# KiCad board pi60_v1.1.kicad_pcb (continued)
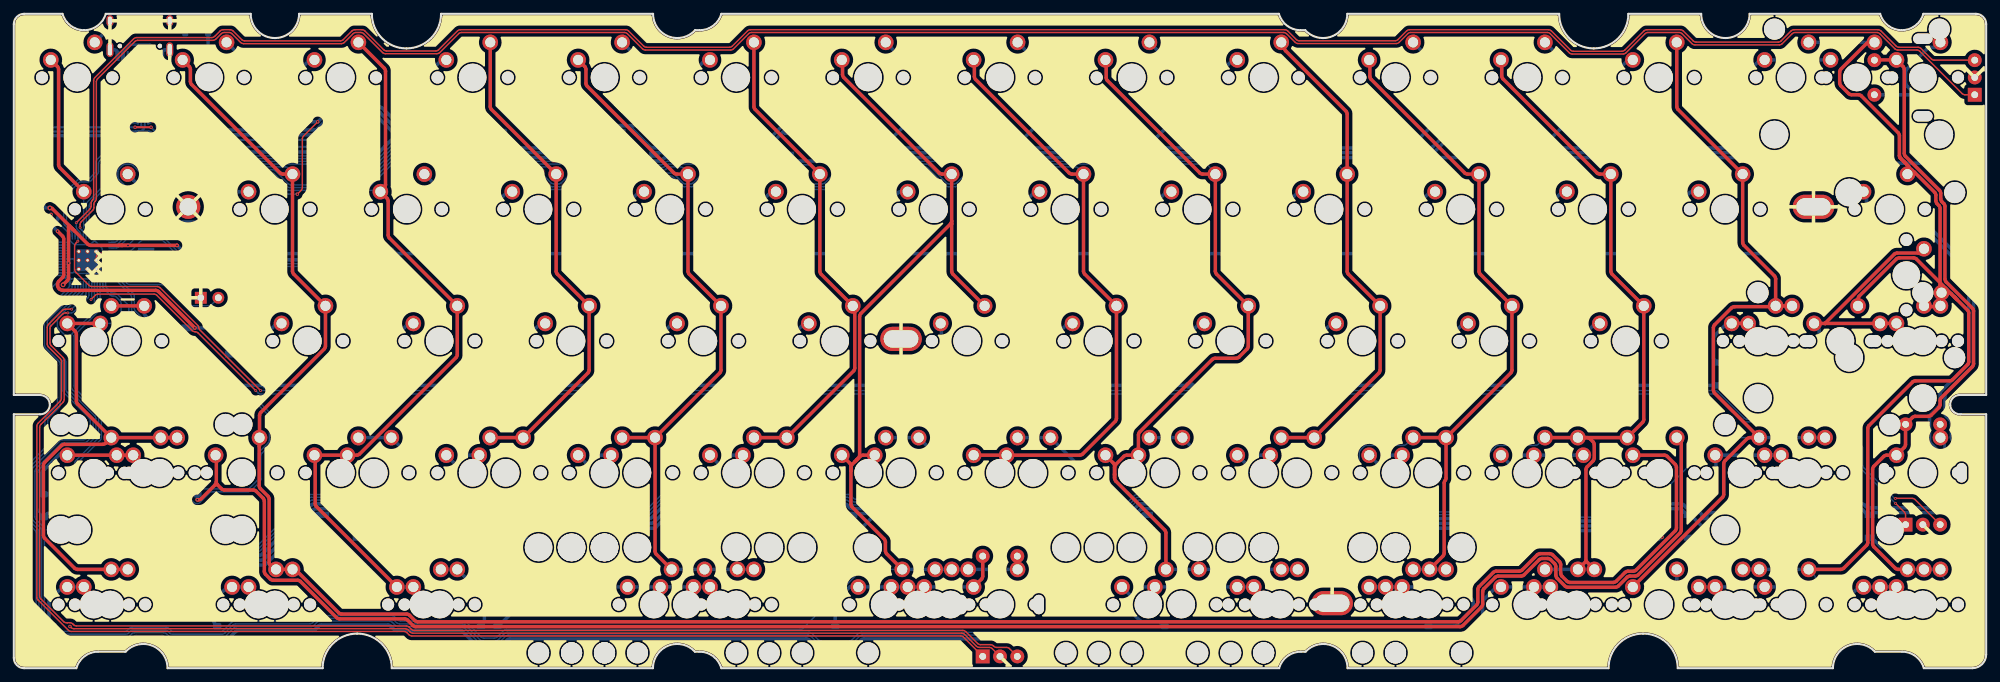
[diagram p0: board, top side]
## Nets
+1V1: C1.1 C2.1 C10.1 U1.23 U1.45 U1.50
+3V3: C3.1 C4.1 C5.1 C6.1 C7.1 C8.1 C9.1 C11.1 C12.1 C14.1 J1.2 R3.1 R4.1 U1.1 U1.10 U1.22 U1.33 U1.42 U1.43 U1.44 U1.48 U1.49 U2.8 U4.2
+5V: C13.1 D69.1 D70.1 D71.1 D72.1 D73.1 D74.1 D75.1 D76.1 D77.1 D78.1 D79.1 D80.1 D81.1 D82.1 D83.1 D84.1 D85.1 D86.1 D87.1 D88.1 D89.1 F1.1 J4.1 U4.3
GND: C1.2 C2.2 C3.2 C4.2 C5.2 C6.2 C7.2 C8.2 C9.2 C10.2 C11.2 C12.2 C13.2 C14.2 C15.2 D69.3 D70.3 D71.3 D72.3 D73.3 D74.3 D75.3 D76.3 D77.3 D78.3 D79.3 D80.3 D81.3 D82.3 D83.3 D84.3 D85.3 D86.3 D87.3 D88.3 D89.3 J1.1 J2.1 J3.1 J4.4 R6.1 R7.1 SW1.C SW2.C SW3.C SW4.2 U1.19 U1.57 U2.4 U3.5 U3.8 U4.1 USB1.1 USB1.12 USB1.13 Y1.2
VCC: C15.1 F1.2 U3.1 USB1.2 USB1.11
,_1: D53.2 K60.1 K108.1
,_2: K10.2 K26.2 K41.2 K60.2 K108.2 U1.3
._1: D54.2 K61.1 K109.1
._2: K11.1 K27.2 K42.2 K61.2 K72.2 K86.2 K94.2 K109.2 U1.29
/QSPI_SCLK: U1.52 U2.6
/QSPI_SD0: U1.53 U2.5
/QSPI_SD1: U1.55 U2.2
/QSPI_SD2: U1.54 U2.3
/QSPI_SD3: U1.51 U2.7
/QSPI_SS: R5.1 U1.56 U2.1
/RUN: J3.2 U1.26
/SCL: J1.4 R3.2 U1.18
/SDA: J1.3 R4.2 U1.17
/SWCLK: U1.24
/SWD: U1.25
/XIN: U1.20 Y1.3
/XOUT: U1.21 Y1.1
B_1: K7.1 K23.2 K38.2 K57.1 K71.2 K79.2 K84.2 K92.2 K98.2 K105.1 SW3.S1 U1.38
B_2: D50.2 K57.2 K105.2
Backspace1: D14.2 K14.1 K15.1
C0: K1.1 K17.1 U1.7
C1: K2.1 K18.2 K33.2 K52.2 K69.2 K77.2 K112.1 U1.11
C2: K3.2 K19.1 K34.2 K53.1 K70.1 K78.1 K101.1 U1.14
C3: K4.2 K20.2 K35.2 K54.2 K102.2 U1.8
C4: K5.1 K21.2 K36.2 K55.2 K83.2 K91.2 K95.2 K97.2 K103.2 U1.9
C5: K6.2 K22.2 K37.2 K56.2 K104.2 U1.2
C7: K8.1 K24.2 K39.2 K58.1 K106.1 U1.13
C8: K9.1 K25.2 K40.2 K59.1 K85.2 K93.2 K96.2 K99.2 K107.1 U1.12
C11: K12.1 K28.2 K43.2 K62.2 K63.2 K73.2 K80.2 K87.2 K110.2 U1.31
C12: K13.2 K29.2 K44.2 K47.2 K64.2 K65.2 K67.2 K88.1 U1.32
C13: K14.2 K15.2 K30.2 K45.2 K46.2 K48.2 K49.2 K74.2 K81.2 K89.2 U1.39
C14: K16.1 K66.1 K75.2 K82.2 K90.2 SW1.S1 SW2.S2 U1.40
C15: K31.1 K32.1 K50.2 K51.2 K68.2 K76.2 K111.2 U1.30
C_1: D48.2 K55.1 K103.1
CC1: R6.2 USB1.4
CC2: R7.2 USB1.10
D2: D51.2 K58.2 K106.2
DN_MCU: J4.2 R2.1 U3.7
DN_USB: U3.2 USB1.5 USB1.7
DP_MCU: J4.3 R1.1 U3.6
DP_USB: U3.3 USB1.6 USB1.8
Enter 1: D43.2 K45.1 K46.1 K48.1 K49.1
ISO': D42.2 K44.1 K47.1
ISO_<>_1: D45.2 K52.1 K112.2
K29 1: D30.2 K31.2 K32.2
K59 1: D55.2 K62.1 K63.1 K110.1
K61 1: D56.2 K64.1 K65.1 K67.1
K65 1: D58.2 K68.1 K76.1
K66 1: D59.2 K69.1 K77.1
K67 1: D60.2 K70.2 K78.2
K68 1: D61.2 K71.1 K79.1 K84.1 K92.1 K98.1 SW3.S2
K69 1: D62.2 K72.1 K86.1 K94.1
K70 1: D63.2 K73.1 K80.1 K87.1
K71 1: D64.2 K74.1 K81.1 K89.1
K72 1: D65.2 K75.1 K82.1 K90.1
K80 1: D67.2 K83.1 K91.1 K95.1 K97.1
K82 1: D68.2 K85.1 K93.1 K96.1 K99.1
LED: D69.4 U1.28
LShift 1: D44.2 K50.1 K51.1 K111.1
M_2: D52.2 K59.2 K107.2
R0: D1.1 D2.1 D3.1 D4.1 D5.1 D6.1 D7.1 D8.1 D9.1 D10.1 D11.1 D12.1 D13.1 D14.1 D15.1 U1.15
R1: D16.1 D17.1 D18.1 D19.1 D20.1 D21.1 D22.1 D23.1 D24.1 D25.1 D26.1 D27.1 D28.1 D29.1 U1.16
R2: D30.1 D31.1 D32.1 D33.1 D34.1 D35.1 D36.1 D37.1 D38.1 D39.1 D40.1 D41.1 D42.1 D43.1 U1.27
R3: D44.1 D45.1 D46.1 D47.1 D48.1 D49.1 D50.1 D51.1 D52.1 D53.1 D54.1 D55.1 D56.1 D57.1 U1.37
R4: D58.1 D59.1 D60.1 D61.1 D62.1 D63.1 D64.1 D65.1 D66.1 D67.1 D68.1 U1.41
SW1_A: SW1.A U1.6
SW1_B: SW1.B U1.5
SW1_S2: D15.2 K16.2 SW1.S2
SW2_A: SW2.A U1.34
SW2_B: SW2.B U1.4
SW3_A: SW3.A U1.36
SW3_B: SW3.B U1.35
V_1: D49.2 K56.1 K104.1
X_1: D47.2 K54.1 K102.1
Z_2: D46.2 K53.2 K101.2
Net-(D1-A): D1.2 K1.2
Net-(D2-A): D2.2 K2.2
Net-(D3-A): D3.2 K3.1
Net-(D4-A): D4.2 K4.1
Net-(D5-A): D5.2 K5.2
Net-(D6-A): D6.2 K6.1
Net-(D7-A): D7.2 K7.2
Net-(D8-A): D8.2 K8.2
Net-(D9-A): D9.2 K9.2
Net-(D10-A): D10.2 K10.1
Net-(D11-A): D11.2 K11.2
Net-(D12-A): D12.2 K12.2
Net-(D13-A): D13.2 K13.1
Net-(D16-A): D16.2 K17.2
Net-(D17-A): D17.2 K18.1
Net-(D18-A): D18.2 K19.2
Net-(D19-A): D19.2 K20.1
Net-(D20-A): D20.2 K21.1
Net-(D21-A): D21.2 K22.1
Net-(D22-A): D22.2 K23.1
Net-(D23-A): D23.2 K24.1
Net-(D24-A): D24.2 K25.1
Net-(D25-A): D25.2 K26.1
Net-(D26-A): D26.2 K27.1
Net-(D27-A): D27.2 K28.1
Net-(D28-A): D28.2 K29.1
Net-(D29-A): D29.2 K30.1
Net-(D31-A): D31.2 K33.1
Net-(D32-A): D32.2 K34.1
Net-(D33-A): D33.2 K35.1
Net-(D34-A): D34.2 K36.1
Net-(D35-A): D35.2 K37.1
Net-(D36-A): D36.2 K38.1
Net-(D37-A): D37.2 K39.1
Net-(D38-A): D38.2 K40.1
Net-(D39-A): D39.2 K41.1
Net-(D40-A): D40.2 K42.1
Net-(D41-A): D41.2 K43.1
Net-(D57-A): D57.2 K66.2 SW2.S1
Net-(D66-A): D66.2 K88.2
Net-(D69-DOUT): D69.2 D70.4
Net-(D70-DOUT): D70.2 D71.4
Net-(D71-DOUT): D71.2 D72.4
Net-(D72-DOUT): D72.2 D73.4
Net-(D73-DOUT): D73.2 D74.4
Net-(D74-DOUT): D74.2 D75.4
Net-(D75-DOUT): D75.2 D76.4
Net-(D76-DOUT): D76.2 D77.4
Net-(D77-DOUT): D77.2 D89.4
Net-(D78-DIN): D78.4 D79.2
Net-(D79-DIN): D79.4 D80.2
Net-(D80-DIN): D80.4 D81.2
Net-(D81-DIN): D81.4 D82.2
Net-(D82-DIN): D82.4 D83.2
Net-(D83-DIN): D83.4 D84.2
Net-(D84-DIN): D84.4 D85.2
Net-(D85-DIN): D85.4 D86.2
Net-(D86-DIN): D86.4 D87.2
Net-(D87-DIN): D87.4 D88.2
Net-(D88-DIN): D88.4 D89.2
Net-(R5-Pad2): R5.2 SW4.1
Net-(U1-USB_DM): R2.2 U1.46
Net-(U1-USB_DP): R1.2 U1.47

Pads without a net: D78 2; J1 NC1 NC2; J4 NC1 NC2; U2 9; U3 4; USB1 3 9

## Via types
v1: diameter 0.5, hole 0.25, Top to Bottom, 53 vias
v2: diameter 0.4, hole 0.2, Top to Bottom, 12 vias
v3: diameter 0.7, hole 0.35, Top to Bottom, 3 vias

## Routing (per net, layer and track width the routed paths; a pad name or vN(x,y) marks a point on that pad's centre or on a via; arc(x,y) is an arc through that point)
+1V1: length 21.3
  Bottom w0.2: 4.05,56.33 4.73,57.01 arc(4.9,57.12) 5.11,57.17 U1.45 8.49,57.17 arc(8.59,57.19) 8.68,57.24 ; C2.1 14.87,58.21 arc(14.7,58.32) 14.49,58.37 13.09,58.37 arc(12.88,58.33) 12.71,58.21 arc(12.59,58.03) 12.55,57.83 12.55,57.51 arc(12.52,57.34) 12.42,57.2 arc(12.28,57.1) 12.11,57.07 9.19,57.07 arc(9.02,57.1) 8.88,57.19 8.83,57.24 ; 8.83,57.24 arc(8.77,57.33) 8.75,57.43 ; 8.83,57.24 arc(8.75,57.28) 8.68,57.24 ; 8.75,57.43 8.75,58.95 arc(8.74,59.03) 8.69,59.1 arc(8.62,59.15) 8.53,59.17 U1.50 5.63,59.17 arc(5.42,59.21) 5.24,59.33 4.54,60.03 arc(4.39,60.13) 4.22,60.16 C1.1 ; 8.75,57.43 arc(8.73,57.33) 8.68,57.24
+3V3: length 128.8
  Top w0.5: 15.17,61.12 11.08,61.12 arc(10.87,61.17) 10.7,61.28 8.75,63.23 ; 15.17,61.12 15.64,61.12 ; 15.17,61.12 15.52,61.12 ; v3(7.12,55.42) 7.75,56.06 arc(7.86,56.23) 7.91,56.44 v1(7.91,58.56) 7.91,63.91 arc(7.95,63.98) 8.02,63.96 8.5,63.48 ; 8.42,63.57 8.75,63.23 ; 8.42,63.57 5.54,66.45 arc(5.44,66.51) 5.32,66.53 v3(5.2,66.53) ; 8.42,63.57 arc(8.46,63.52) 8.5,63.48 ; 8.75,63.23 8.5,63.48 ; 15.52,61.12 23.58,61.12 v1(23.58,61.13) ; 15.52,61.12 arc(15.58,61.12) 15.64,61.12 ; 15.64,61.12 v1(16.5,61.12)
  Bottom w0.2: 7.82,56.33 7.82,56.42 ; 7.82,56.33 arc(7.82,56.31) 7.84,56.29 ; 7.82,56.33 arc(7.81,56.32) 7.8,56.32 ; 7.82,56.42 arc(7.79,56.47) 7.73,56.46 ; 7.82,56.42 arc(7.85,56.47) 7.9,56.46 ; 7.03,56.37 7.33,56.37 ; 7.03,56.37 7.02,56.37 arc(6.84,56.33) 6.69,56.23 5.65,55.19 arc(5.53,55.02) 5.49,54.81 C8.1 ; 7.03,56.37 7.4,56.37 ; 7.33,56.37 7.71,56.37 arc(7.75,56.36) 7.79,56.34 7.8,56.32 ; 7.33,56.37 7.51,56.37 arc(7.63,56.39) 7.73,56.46 7.73,56.46 ; 7.33,56.37 arc(7.37,56.37) 7.4,56.37 ; C3.1 4.62,59.21 arc(4.78,59.18) 4.92,59.09 4.94,59.06 ; 7.82,56.14 7.82,56.28 ; 7.82,56.14 arc(7.81,56.14) 7.81,56.14 ; 7.82,56.14 arc(7.82,56.14) 7.82,56.13 ; 7.82,56.28 arc(7.82,56.29) 7.84,56.29 ; 7.82,56.28 arc(7.81,56.3) 7.8,56.32 ; 8.29,56.27 11.4,56.27 arc(11.5,56.25) 11.58,56.19 arc(11.63,56.11) 11.65,56.01 U1.33 11.65,52.67 arc(11.62,52.5) 11.52,52.35 C5.1 ; 8.29,56.27 8.22,56.27 ; 8.29,56.27 arc(8.26,56.26) 8.23,56.24 ; 7.73,56.46 arc(7.77,56.54) 7.73,56.63 ; 7.81,56.14 7.7,56.25 arc(7.57,56.34) 7.42,56.37 7.4,56.37 ; 7.81,56.14 arc(7.81,56.13) 7.82,56.13 ; 5.12,58.88 5.48,58.53 arc(5.65,58.41) 5.86,58.37 U1.48 7.57,58.37 arc(7.7,58.39) 7.81,58.47 v1(7.91,58.56) 7.81,58.67 arc(7.69,58.74) 7.56,58.77 U1.49 ; 5.12,58.88 4.94,59.06 ; 5.12,58.88 arc(5.13,58.87) 5.14,58.86 ; 11.79,61.69 12.64,60.85 arc(12.76,60.67) 12.8,60.46 12.8,59.75 arc(12.84,59.54) 12.96,59.37 13.4,58.93 arc(13.58,58.81) 13.78,58.77 15.05,58.77 arc(15.26,58.72) 15.43,58.61 C7.1 ; 11.79,61.69 arc(11.69,61.85) 11.65,62.06 ; 11.79,61.69 arc(11.65,61.74) 11.49,61.67 ; 8.05,55.65 8.05,55.79 arc(8.03,55.89) 7.97,55.98 7.9,56.05 ; 8.05,55.65 8.05,55.34 ; 8.05,55.65 arc(8.05,55.68) 8.05,55.71 ; v1(16.5,61.12) 18.25,62.88 arc(18.43,62.99) 18.64,63.03 R3.1 19.61,62.55 arc(19.76,62.45) 19.94,62.41 R4.1 ; C11.1 5.26,56.61 arc(5.44,56.72) 5.65,56.77 7.44,56.77 arc(7.58,56.74) 7.71,56.66 7.73,56.63 ; 7.99,56.16 7.9,56.08 arc(7.9,56.07) 7.9,56.06 ; 8.05,55.34 8.05,55.34 arc(8.02,55.16) 7.92,55 6.67,53.76 arc(6.52,53.66) 6.35,53.62 C9.1 ; 8.05,55.34 8.05,55.71 ; 8.05,55.71 8.05,55.92 arc(8.08,56.05) 8.16,56.16 8.23,56.24 ; 8.15,56.27 8.22,56.27 ; 8.15,56.27 7.88,56.27 arc(7.86,56.27) 7.84,56.29 ; 8.15,56.27 8.22,56.27 ; 8.15,56.27 8.14,56.27 arc(8.1,56.27) 8.06,56.3 7.9,56.46 ; 8.22,56.27 arc(8.24,56.26) 8.23,56.24 ; 7.21,58.77 5.37,58.77 arc(5.25,58.79) 5.14,58.86 ; 7.73,56.63 7.9,56.46 ; 4.94,59.06 5.14,58.86 ; 7.9,56.05 7.89,56.06 ; 7.9,56.05 arc(7.9,56.06) 7.9,56.06 ; 7.89,56.06 7.82,56.13 ; 7.89,56.06 arc(7.89,56.06) 7.9,56.06 ; 7.82,56.13 arc(7.82,56.13) 7.82,56.13 ; 11.49,61.67 11.21,61.39 arc(11.04,61.28) 10.83,61.23 8.92,61.23 arc(8.71,61.28) 8.53,61.39 8.21,61.71 arc(8.09,61.89) 8.05,62.1 8.05,62.59 arc(8.02,62.76) 7.92,62.91 6.51,64.33 arc(6.39,64.5) 6.35,64.71 C4.1 6.35,65.43 arc(6.3,65.64) 6.19,65.81 5.56,66.44 arc(5.46,66.51) 5.33,66.53 v3(5.2,66.53) ; 11.49,61.67 arc(11.61,61.85) 11.65,62.06 ; 11.65,62.06 U1.10 11.65,63.25 arc(11.69,63.46) 11.81,63.63 12.12,63.95 arc(12.2,64.06) 12.23,64.19 C6.1 ; 7.82,56.13 arc(7.81,56.13) 7.81,56.12
  Bottom w0.25: 1.93,60.7 U2.8 1.56,62.08 arc(1.44,62.26) 1.4,62.47 1.4,66.8 arc(1.44,67.01) 1.56,67.19 1.8,67.42 arc(1.97,67.54) 2.18,67.58 3.07,67.58 arc(3.28,67.54) 3.46,67.42 4.19,66.69 arc(4.36,66.58) 4.57,66.53
  Bottom w0.5: v1(23.58,61.13) 25.51,59.2 arc(25.68,59.08) 25.89,59.04 46.84,59.04 arc(47.05,59) 47.22,58.88 48.62,57.48 arc(48.8,57.36) 49,57.32 J1.2 ; U4.2 4.33,66.55 ; v3(7.12,55.42) 7.81,56.12 ; v3(5.2,66.53) 4.57,66.53
+5V: length 678.8
  Bottom w0.5: 168.51,22.11 167.72,22.9 arc(167.54,23.02) 167.34,23.06 163.15,23.06 arc(162.94,23.02) 162.76,22.9 160.96,21.1 arc(160.78,20.98) 160.57,20.94 152.65,20.94 arc(152.44,20.98) 152.26,21.1 151.16,22.2 arc(150.98,22.32) 150.77,22.36 146.99,22.36 ; 190.54,22.11 189.75,22.9 arc(189.57,23.02) 189.37,23.06 185.18,23.06 arc(184.97,23.02) 184.79,22.9 182.99,21.1 arc(182.81,20.98) 182.6,20.94 171.69,20.94 arc(171.48,20.98) 171.3,21.1 170.45,21.95 arc(170.27,22.07) 170.06,22.11 168.76,22.11 ; 29.26,74.62 43.04,74.62 arc(43.25,74.58) 43.43,74.46 45.71,72.18 arc(45.88,72.07) 46.09,72.03 49.99,72.03 arc(50.2,72.07) 50.38,72.18 55.07,76.88 ; 29.26,74.62 28.91,74.62 ; 29.26,74.62 28.79,74.62 ; 55.44,77.03 62.41,77.03 arc(62.62,76.98) 62.79,76.87 65.39,74.27 ; 55.44,77.03 arc(55.24,76.99) 55.07,76.88 ; 55.44,77.03 arc(55.23,77.07) 55.06,77.18 ; 44.15,77.25 46.47,79.56 arc(46.64,79.68) 46.85,79.72 52.29,79.72 arc(52.5,79.68) 52.68,79.56 55.06,77.18 ; 44.15,77.25 44.11,77.21 ; 44.15,77.25 arc(44.29,77.34) 44.45,77.37 45.25,77.37 ; 44.15,77.25 arc(44.01,77.16) 43.85,77.13 ; 44.15,77.25 arc(44.13,77.23) 44.11,77.21 ; 55.07,76.88 arc(55.13,77.03) 55.06,77.18 ; 242.31,22.11 244.62,19.8 arc(244.74,19.62) 244.78,19.41 244.78,19.19 arc(244.82,18.98) 244.94,18.8 246.08,17.66 arc(246.26,17.54) 246.47,17.5 248.08,17.5 arc(248.29,17.54) 248.47,17.66 248.82,18.02 arc(249,18.13) 249.21,18.17 256.98,18.17 arc(257.19,18.22) 257.36,18.33 261.93,22.9 arc(262.11,23.02) 262.32,23.06 266.75,23.06 arc(266.95,23.02) 267.13,22.9 267.92,22.11 ; 28.91,74.62 22.06,74.62 arc(21.85,74.67) 21.67,74.78 19.62,76.84 arc(19.44,76.96) 19.23,77 4.56,77 arc(4.35,76.96) 4.18,76.84 2.61,75.27 arc(2.49,75.09) 2.45,74.89 2.45,69.28 ; 28.91,74.62 arc(28.85,74.62) 28.79,74.62 ; 283.01,21.89 283.01,21.53 ; 283.01,21.89 283.01,22.47 ; 283.01,21.89 arc(283.01,21.86) 283.01,21.83 ; 283.01,21.53 283.01,21.2 arc(282.99,21.1) 282.93,21.01 arc(282.85,20.96) 282.75,20.94 280.98,20.94 arc(280.77,20.98) 280.6,21.1 279.36,22.33 arc(279.19,22.45) 278.98,22.49 268.78,22.49 arc(268.58,22.45) 268.4,22.33 268.18,22.11 ; 283.01,21.53 283.01,21.83 ; 283.01,22.47 arc(283.01,22.46) 283.01,22.44 ; 283.01,22.47 arc(282.98,22.58) 282.91,22.69 ; 283.01,21.83 283.01,22.44 ; 283.01,22.44 arc(282.98,22.57) 282.91,22.69 ; 216.74,22.11 218.12,20.73 arc(218.29,20.62) 218.5,20.57 233.25,20.57 arc(233.45,20.62) 233.63,20.73 235.8,22.9 arc(235.97,23.02) 236.18,23.06 240.63,23.06 arc(240.83,23.02) 241.01,22.9 241.8,22.11 ; 44.11,77.21 arc(44,77.15) 43.85,77.13 ; 26.82,73.66 27.63,74.46 arc(27.8,74.58) 28.01,74.62 28.79,74.62 ; F1.1 20.57,81.13 arc(20.68,80.95) 20.73,80.75 20.73,78.36 arc(20.77,78.15) 20.88,77.97 21.57,77.28 arc(21.75,77.17) 21.96,77.13 43.85,77.13 ; 101.26,22.1 101.16,22.2 arc(100.98,22.32) 100.78,22.36 100.55,22.36 ; 101.26,22.1 101.51,21.85 ; 101.26,22.1 arc(101.22,22.14) 101.18,22.19 ; 146.48,22.11 145.69,22.9 arc(145.51,23.02) 145.31,23.06 141.12,23.06 arc(140.91,23.02) 140.73,22.9 138.93,21.09 arc(138.75,20.98) 138.54,20.93 133.59,20.93 arc(133.38,20.98) 133.21,21.09 132.1,22.2 arc(131.92,22.32) 131.71,22.36 121.39,22.36 ; 101.51,21.85 102.26,21.1 arc(102.44,20.98) 102.65,20.94 112.95,20.94 arc(113.16,20.98) 113.34,21.1 115.14,22.9 arc(115.32,23.02) 115.53,23.06 119.72,23.06 arc(119.92,23.02) 120.1,22.9 120.89,22.11 ; 101.51,21.85 101.18,22.19 ; 49.7,22.11 50.06,22.47 arc(50.09,22.51) 50.1,22.56 arc(50.09,22.61) 50.06,22.65 49.81,22.9 arc(49.63,23.02) 49.43,23.06 43.67,23.06 arc(43.47,23.02) 43.29,22.9 36.15,15.76 arc(35.97,15.64) 35.77,15.6 28.98,15.6 arc(28.77,15.64) 28.6,15.76 24.87,19.49 arc(24.75,19.67) 24.71,19.88 24.71,20.56 arc(24.67,20.77) 24.55,20.94 23.55,21.94 arc(23.52,21.99) 23.51,22.05 23.51,22.11 ; 73.27,22.11 72.48,22.9 arc(72.3,23.02) 72.1,23.06 67.61,23.06 arc(67.47,23) 67.41,22.86 67.41,22.68 arc(67.37,22.47) 67.25,22.29 65.45,20.48 arc(65.27,20.37) 65.06,20.32 52.61,20.32 arc(52.4,20.37) 52.23,20.48 50.49,22.22 arc(50.34,22.32) 50.15,22.36 49.95,22.36 ; 101.18,22.19 100.46,22.9 arc(100.28,23.02) 100.08,23.06 94.69,23.06 arc(94.48,23.02) 94.3,22.9 92.5,21.09 arc(92.32,20.98) 92.11,20.93 83.6,20.93 arc(83.39,20.98) 83.22,21.09 82.11,22.2 arc(81.93,22.32) 81.72,22.36 73.76,22.36 ; 190.79,22.11 196.27,22.11 arc(196.48,22.07) 196.66,21.95 197.51,21.1 arc(197.69,20.98) 197.9,20.94 208.2,20.94 arc(208.41,20.98) 208.59,21.1 210.39,22.9 arc(210.57,23.02) 210.78,23.06 216.16,23.06 arc(216.33,23.03) 216.47,22.94 arc(216.56,22.8) 216.59,22.63 216.59,22.31 ; 65.64,74.27 66.43,73.48 arc(66.6,73.37) 66.81,73.33 71.25,73.33 arc(71.46,73.37) 71.64,73.48 71.82,73.67 arc(71.99,73.78) 72.2,73.83 86.99,73.83 arc(87.2,73.87) 87.37,73.98 87.52,74.13 arc(87.66,74.19) 87.8,74.13 88.45,73.48 arc(88.63,73.37) 88.84,73.33 93.29,73.33 arc(93.5,73.37) 93.68,73.48 93.86,73.67 arc(94.03,73.78) 94.24,73.83 111.33,73.83 arc(111.54,73.87) 111.71,73.98 111.86,74.13 arc(112,74.19) 112.14,74.13 112.79,73.48 arc(112.97,73.37) 113.18,73.33 117.62,73.33 arc(117.83,73.37) 118.01,73.48 118.19,73.67 arc(118.36,73.78) 118.57,73.83 135.14,73.83 arc(135.35,73.87) 135.52,73.98 135.67,74.13 arc(135.81,74.19) 135.96,74.13 136.61,73.48 arc(136.78,73.37) 136.99,73.33 141.43,73.33 arc(141.64,73.37) 141.82,73.48 142,73.67 arc(142.17,73.78) 142.38,73.83 156.57,73.83 arc(156.78,73.87) 156.96,73.98 157.1,74.13 arc(157.25,74.19) 157.39,74.13 158.04,73.48 arc(158.21,73.37) 158.42,73.33 162.86,73.33 arc(163.07,73.37) 163.25,73.48 163.43,73.67 arc(163.6,73.78) 163.81,73.83 181.57,73.83 arc(181.78,73.87) 181.96,73.98 182.11,74.13 arc(182.25,74.19) 182.39,74.13 183.04,73.48 arc(183.22,73.37) 183.42,73.33 187.86,73.33 arc(188.07,73.37) 188.25,73.48 188.43,73.67 arc(188.6,73.78) 188.81,73.83 208.36,73.83 arc(208.57,73.87) 208.75,73.98 208.9,74.13 arc(209.04,74.19) 209.18,74.13 209.83,73.48 arc(210.01,73.37) 210.21,73.33 214.65,73.33 arc(214.86,73.37) 215.04,73.48 215.22,73.67 arc(215.39,73.78) 215.6,73.83 235.22,73.83 arc(235.43,73.87) 235.61,73.98 235.75,74.13 arc(235.9,74.19) 236.04,74.13 236.69,73.48 arc(236.86,73.37) 237.07,73.33 241.51,73.33 arc(241.72,73.37) 241.9,73.48 242.08,73.67 arc(242.25,73.78) 242.46,73.83 252.01,73.83 arc(252.22,73.78) 252.39,73.67 252.65,73.41 arc(252.82,73.29) 253.03,73.25 258.92,73.25 arc(259.12,73.29) 259.3,73.41 260,74.12 arc(260.18,74.23) 260.39,74.27 263.28,74.27 263.28,73.55 arc(263.32,73.34) 263.44,73.16 265.19,71.42 arc(265.36,71.3) 265.57,71.26 269.48,71.26 arc(269.69,71.21) 269.87,71.1 273.42,67.54 arc(273.54,67.37) 273.58,67.16 273.58,66.23 arc(273.62,66.02) 273.74,65.84 282.32,57.27 arc(282.44,57.09) 282.48,56.88 282.48,44.27 arc(282.44,44.07) 282.32,43.89 278.5,40.07 arc(278.39,39.9) 278.34,39.69 278.34,38.24 arc(278.3,38.03) 278.19,37.85 276.98,36.64 arc(276.86,36.47) 276.82,36.26 276.82,32.9 arc(276.86,32.69) 276.98,32.52 278.19,31.31 arc(278.3,31.13) 278.34,30.92 278.34,26.96 arc(278.39,26.75) 278.5,26.58 282.14,22.94 arc(282.31,22.83) 282.52,22.78 282.66,22.78 arc(282.79,22.76) 282.91,22.69
GND: length 187.6
  Top w0.2: U1.57 11.93,59.5 arc(11.96,59.68) 12.07,59.83 ; SW3.C 141.36,2.84 arc(141.18,2.96) 140.98,3 139.49,3 arc(139.28,3.04) 139.11,3.16 137.37,4.9 arc(137.19,5.01) 136.99,5.06 57.67,5.06 arc(57.46,5.1) 57.28,5.22 56.95,5.55 arc(56.77,5.66) 56.57,5.71 8.65,5.71 arc(8.44,5.75) 8.27,5.87 v1(8.11,6.03) ; 12.4,59.97 v1(13.35,59.97) ; 12.4,59.97 arc(12.22,59.93) 12.07,59.83 ; 12.4,59.97 arc(12.22,60) 12.07,60.1 ; 12.07,60.1 U1.57 ; 12.07,60.1 arc(12.12,59.97) 12.07,59.83
  Bottom w0.2: v1(13.35,59.97) U1.19 ; C1.2 2.76,59.84 arc(2.59,59.73) 2.38,59.68 ; v1(3.35,63.54) 3.39,63.57 arc(3.42,63.62) 3.43,63.66 U2.4 ; 2.61,59.68 C3.2
  Bottom w0.25: 2.38,59.68 C12.2
  Bottom w0.3: v2(17.75,59.37) Y1.2
  Bottom w0.4: U3.8 17.92,78.9 arc(17.91,78.9) 17.91,78.9 C15.2 16.11,78.9 arc(15.96,78.93) 15.84,79.01 v1(15.47,79.38) ; U3.5 19.67,78.9 arc(19.8,78.93) 19.92,79.01 v1(20.03,79.11) ; v2(11.47,64.09) 11.47,64.93 ; v1(19.63,83.84) R7.1 ; v1(17.73,83.84) R6.1
  Bottom w0.5: C10.2 2.56,56.33 arc(2.56,56.33) 2.55,56.33 v1(2.55,56.32) ; 44.8,18.91 45.8,18.91 arc(45.8,18.91) 45.8,18.91 v1(45.81,18.91) ; v1(4.41,71.99) C13.2 ; USB1.13 14.47,89.42 arc(14.66,89.38) 14.83,89.27 arc(14.94,89.1) 14.98,88.9 14.98,88.5 ; v1(186.16,77.47) 187.15,77.47 ; 95.4,18.91 96.4,18.91 arc(96.4,18.91) 96.4,18.91 v1(96.41,18.91) ; v1(2.39,66.53) C14.2 ; v1(32.46,45.39) 32.45,45.4 arc(32.45,45.4) 32.45,45.4 SW4.2 ; 23.62,78.32 24.35,78.32 arc(24.36,78.33) 24.36,78.33 v1(24.37,78.33) ; v1(26.16,45.39) 26.15,45.4 arc(26.15,45.4) 26.15,45.4 SW4.2 ; v1(4.44,53.24) 4.81,53.62 ; 211.49,18.91 212.49,18.91 arc(212.49,18.91) 212.49,18.91 v1(212.5,18.91) ; D89.3 238.04,18.86 arc(238.09,18.87) 238.13,18.9 v1(238.17,18.94) ; USB1.12 21.43,88.9 arc(21.47,89.1) 21.58,89.27 arc(21.75,89.38) 21.94,89.42 USB1.13 ; v1(1.99,59.15) C12.2 ; 185.89,18.91 186.89,18.91 arc(186.89,18.91) 186.89,18.91 v1(186.9,18.91) ; v1(91.57,77.47) 92.56,77.47 ; v1(19.61,18.91) 19.6,18.91 arc(19.6,18.91) 19.6,18.91 18.61,18.91 ; v1(69.62,18.91) 69.61,18.91 arc(69.61,18.91) 69.61,18.91 68.61,18.91 ; v1(2.55,55.38) C11.2 ; v1(161.16,77.47) 162.15,77.47 ; v1(10.33,51.15) C5.2 ; v1(267.19,77.47) 268.18,77.47 ; C2.2 v1(17.69,57.27) 17.69,57.3 arc(17.68,57.31) 17.67,57.33 C7.2 ; v1(5.11,52.57) 5.48,52.95 ; v1(139.73,77.47) 140.71,77.47 ; v1(264.29,18.9) 264.28,18.91 arc(264.28,18.91) 264.28,18.91 263.28,18.91 ; v1(212.95,77.47) 213.94,77.47 ; v1(69.55,77.47) 70.54,77.47 ; v1(239.8,77.47) 240.8,77.47 ; v1(117.25,18.91) 117.24,18.91 arc(117.24,18.91) 117.24,18.91 116.24,18.91 ; 163.86,18.91 164.86,18.91 arc(164.86,18.91) 164.86,18.91 v1(164.87,18.91) ; v1(142.85,18.24) 142.18,18.91 ; v1(3.35,70.21) U4.1 ; C4.2 5.39,65.59 v1(5.39,65.59) ; v1(115.91,77.47) 116.9,77.47 ; J1.1 50.67,58.32 arc(50.67,58.32) v1(50.68,58.32)
  Bottom w0.6: v3(49.13,74.37) 45.25,74.37
  vias: v1(1.41,93.14)
VCC: length 17.1
  Bottom w0.2: U3.1 16.87,79.9
  Bottom w0.4: 15.76,88.27 15.76,89.06 arc(15.8,89.27) 15.92,89.45 16.44,89.97 arc(16.61,90.08) 16.82,90.13 19.6,90.13 arc(19.8,90.08) 19.98,89.97 20.5,89.45 arc(20.61,89.27) 20.66,89.07 USB1.11
  Bottom w0.5: C15.1 17.11,80.15 arc(17.23,80.32) 17.27,80.53 F1.2 ; 16.96,81.94 16.96,85.57 arc(16.91,85.78) 16.8,85.96 15.92,86.84 arc(15.8,87.02) 15.76,87.23 15.76,88.27
,_1: length 12.2
  Bottom w0.5: K108.1 177.95,29.63 arc(178.07,29.46) 178.11,29.25 178.11,28.26 ; K60.1 179.84,30.79 arc(179.63,30.75) 179.45,30.63 178.27,29.44 arc(178.15,29.27) 178.11,29.06 178.11,28.38 ; 178.11,28.38 178.11,27.91 ; 178.11,28.38 arc(178.11,28.32) 178.11,28.26 ; 178.11,27.91 178.11,28.26 ; 178.11,27.91 178.11,26.67 arc(178.15,26.46) 178.27,26.28 D53.2
,_2: length 277.7
  Top w0.5: 183.6,90.03 183.6,89.65 arc(183.64,89.45) 183.76,89.27 192.51,80.52 arc(192.62,80.34) 192.67,80.13 K26.2 192.67,57.37 arc(192.71,57.16) 192.83,56.98 K41.2 197.43,43.08 arc(197.39,42.87) 197.27,42.7 K60.2 K108.2
  Bottom w0.2: U1.3 8.85,62.88 arc(8.81,63.09) 8.69,63.27 7.77,64.19 arc(7.65,64.37) 7.61,64.58 7.61,68.18 arc(7.65,68.39) 7.77,68.57 9.35,70.15 arc(9.53,70.27) 9.74,70.31 10.77,70.31 arc(10.98,70.36) 11.15,70.47 12.07,71.39 arc(12.19,71.57) 12.23,71.78 12.23,72.95 arc(12.27,73.16) 12.39,73.34 14.55,75.49 arc(14.72,75.61) 14.93,75.65 17.98,75.65 arc(18.18,75.61) 18.36,75.49 21.72,72.14 arc(21.89,72.02) 22.1,71.98 27.41,71.98 arc(27.61,72.02) 27.79,72.14 29.17,73.52 arc(29.35,73.63) 29.56,73.68 42.65,73.68 arc(42.86,73.63) 43.03,73.52 45.31,71.24 arc(45.49,71.12) 45.7,71.08 50.38,71.08 arc(50.59,71.12) 50.77,71.24 55.45,75.92 arc(55.63,76.03) 55.83,76.08 61.35,76.08 arc(61.56,76.03) 61.74,75.92 65.12,72.54 arc(65.3,72.42) 65.5,72.38 71.64,72.38 arc(71.85,72.42) 72.03,72.54 72.21,72.72 arc(72.39,72.83) 72.59,72.88 87.49,72.88 arc(87.7,72.83) 87.88,72.72 88.06,72.54 arc(88.24,72.42) 88.45,72.38 93.68,72.38 arc(93.89,72.42) 94.07,72.54 94.25,72.72 arc(94.43,72.83) 94.63,72.88 111.83,72.88 arc(112.04,72.83) 112.22,72.72 114.77,70.16 arc(114.95,70.05) 115.16,70.01 116.83,70.01 arc(117.04,70.05) 117.22,70.16 120.17,73.12 arc(120.34,73.23) 120.55,73.28 135.81,73.28 arc(136.02,73.23) 136.2,73.12 136.38,72.94 arc(136.55,72.82) 136.76,72.78 141.66,72.78 arc(141.87,72.82) 142.04,72.94 142.22,73.12 arc(142.4,73.23) 142.61,73.28 157.24,73.28 arc(157.45,73.23) 157.63,73.12 157.81,72.94 arc(157.99,72.82) 158.19,72.78 163.09,72.78 arc(163.3,72.82) 163.47,72.94 163.65,73.12 arc(163.83,73.23) 164.04,73.28 182.25,73.28 arc(182.45,73.23) 182.63,73.12 182.81,72.94 arc(182.99,72.82) 183.2,72.78 188.09,72.78 arc(188.3,72.82) 188.47,72.94 188.65,73.12 arc(188.83,73.23) 189.04,73.28 190.59,73.28 arc(190.8,73.23) 190.98,73.12 K26.2
._1: length 12.1
  Bottom w0.5: 197.16,28.39 197.16,29.06 arc(197.2,29.27) 197.32,29.44 198.5,30.63 arc(198.68,30.75) 198.89,30.79 K61.1 ; 197.16,28.39 197.16,28.04 ; 197.16,28.39 arc(197.16,28.45) 197.16,28.51 ; K109.1 197,29.63 arc(197.12,29.46) 197.16,29.25 197.16,28.51 ; 197.16,28.04 197.16,26.67 arc(197.2,26.46) 197.32,26.28 D54.2 ; 197.16,28.04 197.16,28.51
._2: length 374.2
  Top w0.5: K61.2 206.95,27.46 arc(206.92,27.28) 206.82,27.13 arc(206.72,26.98) 206.68,26.8 206.68,16.62 arc(206.64,16.41) 206.52,16.23 K72.2 ; K61.2 K109.2 ; K61.2 216.32,42.7 arc(216.44,42.87) 216.48,43.08 K42.2 211.88,56.98 arc(211.76,57.16) 211.72,57.37 K27.2 210.05,71.43 arc(209.84,71.47) 209.66,71.59 196.1,85.15 arc(195.99,85.32) 195.95,85.53 195.95,87.84
  Bottom w0.2: K109.2 201.24,32.37 arc(201.06,32.26) 200.85,32.21 195.48,32.21 arc(195.27,32.17) 195.09,32.06 194.58,31.54 arc(194.46,31.36) 194.42,31.15 194.42,30.05 arc(194.37,29.84) 194.26,29.67 189.86,25.27 arc(189.68,25.15) 189.47,25.11 184.33,25.11 arc(184.12,25.07) 183.94,24.95 182.14,23.15 arc(181.96,23.03) 181.75,22.99 181.1,22.99 arc(180.89,23.03) 180.72,23.15 180.63,23.23 arc(180.46,23.34) 180.25,23.39 178.57,23.39 arc(178.36,23.34) 178.19,23.23 178.11,23.15 arc(177.93,23.03) 177.72,22.99 173.95,22.99 arc(173.74,23.03) 173.57,23.15 173.48,23.23 arc(173.31,23.34) 173.1,23.39 172.14,23.39 arc(171.93,23.43) 171.75,23.55 171.05,24.25 arc(170.87,24.37) 170.66,24.41 169.33,24.41 arc(169.13,24.45) 168.95,24.57 168.57,24.95 arc(168.39,25.07) 168.18,25.11 162.3,25.11 arc(162.09,25.07) 161.91,24.95 160.11,23.15 arc(159.93,23.03) 159.72,22.99 154.9,22.99 arc(154.69,23.03) 154.52,23.15 154.43,23.23 arc(154.26,23.34) 154.05,23.39 153.1,23.39 arc(152.89,23.43) 152.71,23.55 152.01,24.25 arc(151.83,24.37) 151.62,24.41 147.3,24.41 arc(147.1,24.45) 146.92,24.57 146.54,24.95 arc(146.36,25.07) 146.15,25.11 140.27,25.11 arc(140.06,25.07) 139.88,24.95 138.08,23.14 arc(137.9,23.02) 137.69,22.98 135.85,22.98 arc(135.64,23.02) 135.47,23.14 135.38,23.23 arc(135.21,23.34) 135,23.39 134.04,23.39 arc(133.83,23.43) 133.65,23.55 132.95,24.25 arc(132.77,24.37) 132.56,24.41 121.71,24.41 arc(121.51,24.45) 121.33,24.57 120.95,24.95 arc(120.77,25.07) 120.56,25.11 114.68,25.11 arc(114.47,25.07) 114.29,24.95 112.49,23.15 arc(112.31,23.03) 112.1,22.99 104.9,22.99 arc(104.69,23.03) 104.52,23.15 104.43,23.23 arc(104.26,23.34) 104.05,23.39 103.1,23.39 arc(102.89,23.43) 102.71,23.55 101.31,24.95 arc(101.13,25.07) 100.92,25.11 93.78,25.11 arc(93.63,25.08) 93.5,24.99 91.65,23.14 arc(91.47,23.02) 91.26,22.98 85.85,22.98 arc(85.64,23.02) 85.47,23.14 85.38,23.23 arc(85.21,23.34) 85,23.39 84.59,23.39 arc(84.38,23.43) 84.2,23.55 83.5,24.25 arc(83.32,24.37) 83.11,24.41 74.09,24.41 arc(73.89,24.45) 73.71,24.57 73.33,24.95 arc(73.15,25.07) 72.94,25.11 66.79,25.11 arc(66.58,25.07) 66.41,24.95 65,23.55 arc(64.83,23.43) 64.62,23.39 64.27,23.39 arc(64.06,23.34) 63.89,23.23 63.19,22.53 arc(63.02,22.41) 62.81,22.37 60.26,22.37 arc(60.05,22.41) 59.88,22.53 59.18,23.23 arc(59.01,23.34) 58.8,23.39 57.13,23.39 arc(56.92,23.34) 56.75,23.23 56.05,22.53 arc(55.88,22.41) 55.67,22.37 53.46,22.37 arc(53.25,22.41) 53.08,22.53 50.66,24.95 arc(50.48,25.07) 50.27,25.11 42.83,25.11 arc(42.62,25.07) 42.44,24.95 35.3,17.81 arc(35.13,17.69) 34.92,17.65 29.83,17.65 arc(29.63,17.69) 29.45,17.81 28.4,18.86 arc(28.28,19.04) 28.24,19.25 28.24,22.6 arc(28.2,22.81) 28.08,22.99 27.83,23.23 arc(27.65,23.35) 27.44,23.39 26.25,23.39 arc(26.04,23.44) 25.87,23.55 25.06,24.36 arc(24.89,24.47) 24.68,24.51 22.3,24.51 arc(22.1,24.47) 21.92,24.36 21.12,23.56 arc(21,23.38) 20.96,23.17 20.96,22.32 arc(20.92,22.11) 20.8,21.94 20.23,21.37 arc(20.06,21.25) 19.85,21.21 17.73,21.21 arc(17.66,21.22) 17.61,21.26 arc(17.57,21.32) 17.56,21.38 17.56,22.71 arc(17.62,22.85) 17.76,22.91 19.12,22.91 arc(19.33,22.95) 19.5,23.07 21.59,25.16 arc(21.76,25.27) 21.97,25.31 24.83,25.31 arc(25.04,25.36) 25.21,25.47 25.49,25.75 arc(25.66,25.86) 25.87,25.91 33.71,25.91 arc(33.92,25.95) 34.09,26.07 35.15,27.12 arc(35.27,27.3) 35.31,27.5 35.31,30.89 arc(35.35,31.1) 35.47,31.28 36.77,32.58 arc(36.89,32.76) 36.93,32.96 36.93,36.21 arc(36.89,36.42) 36.77,36.6 33.79,39.58 arc(33.61,39.7) 33.4,39.74 21.71,39.74 arc(21.51,39.78) 21.33,39.9 20.71,40.52 arc(20.59,40.7) 20.55,40.9 20.55,44.05 arc(20.51,44.26) 20.39,44.43 18.81,46.01 arc(18.69,46.19) 18.65,46.4 18.65,49.19 arc(18.61,49.4) 18.49,49.58 16.77,51.3 arc(16.65,51.48) 16.61,51.68 16.61,52.2 arc(16.57,52.4) 16.45,52.58 14.99,54.04 arc(14.81,54.16) 14.6,54.2 14.44,54.2 arc(14.23,54.25) 14.05,54.36 13.38,55.03 arc(13.29,55.18) 13.25,55.35 U1.29
  Bottom w0.5: 206.95,14.28 K72.2 K86.2
/QSPI_SCLK: length 5.2
  Bottom w0.2: U1.52 5.96,59.97 arc(5.75,60.01) 5.57,60.13 4.69,61.01 arc(4.51,61.13) 4.3,61.17 3.1,61.17 arc(3.03,61.18) 2.98,61.22 arc(2.94,61.28) 2.93,61.34 U2.6
/QSPI_SD0: length 4.3
  Bottom w0.2: U1.53 6.12,60.37 arc(5.91,60.41) 5.74,60.53 4.85,61.41 arc(4.68,61.53) 4.47,61.57 3.68,61.57 arc(3.58,61.59) 3.5,61.64 U2.5
/QSPI_SD1: length 8.1
  Bottom w0.2: U2.2 2.43,64.51 arc(2.47,64.72) 2.59,64.9 2.63,64.94 arc(2.8,65.06) 3.01,65.1 3.9,65.1 arc(4.05,65.07) 4.18,64.98 arc(4.27,64.85) 4.3,64.7 4.3,63.32 arc(4.34,63.11) 4.46,62.93 6.07,61.33 arc(6.24,61.21) 6.45,61.17 U1.55
